# Allegro board ad-fmcmotcon1-ebz_layout.brd
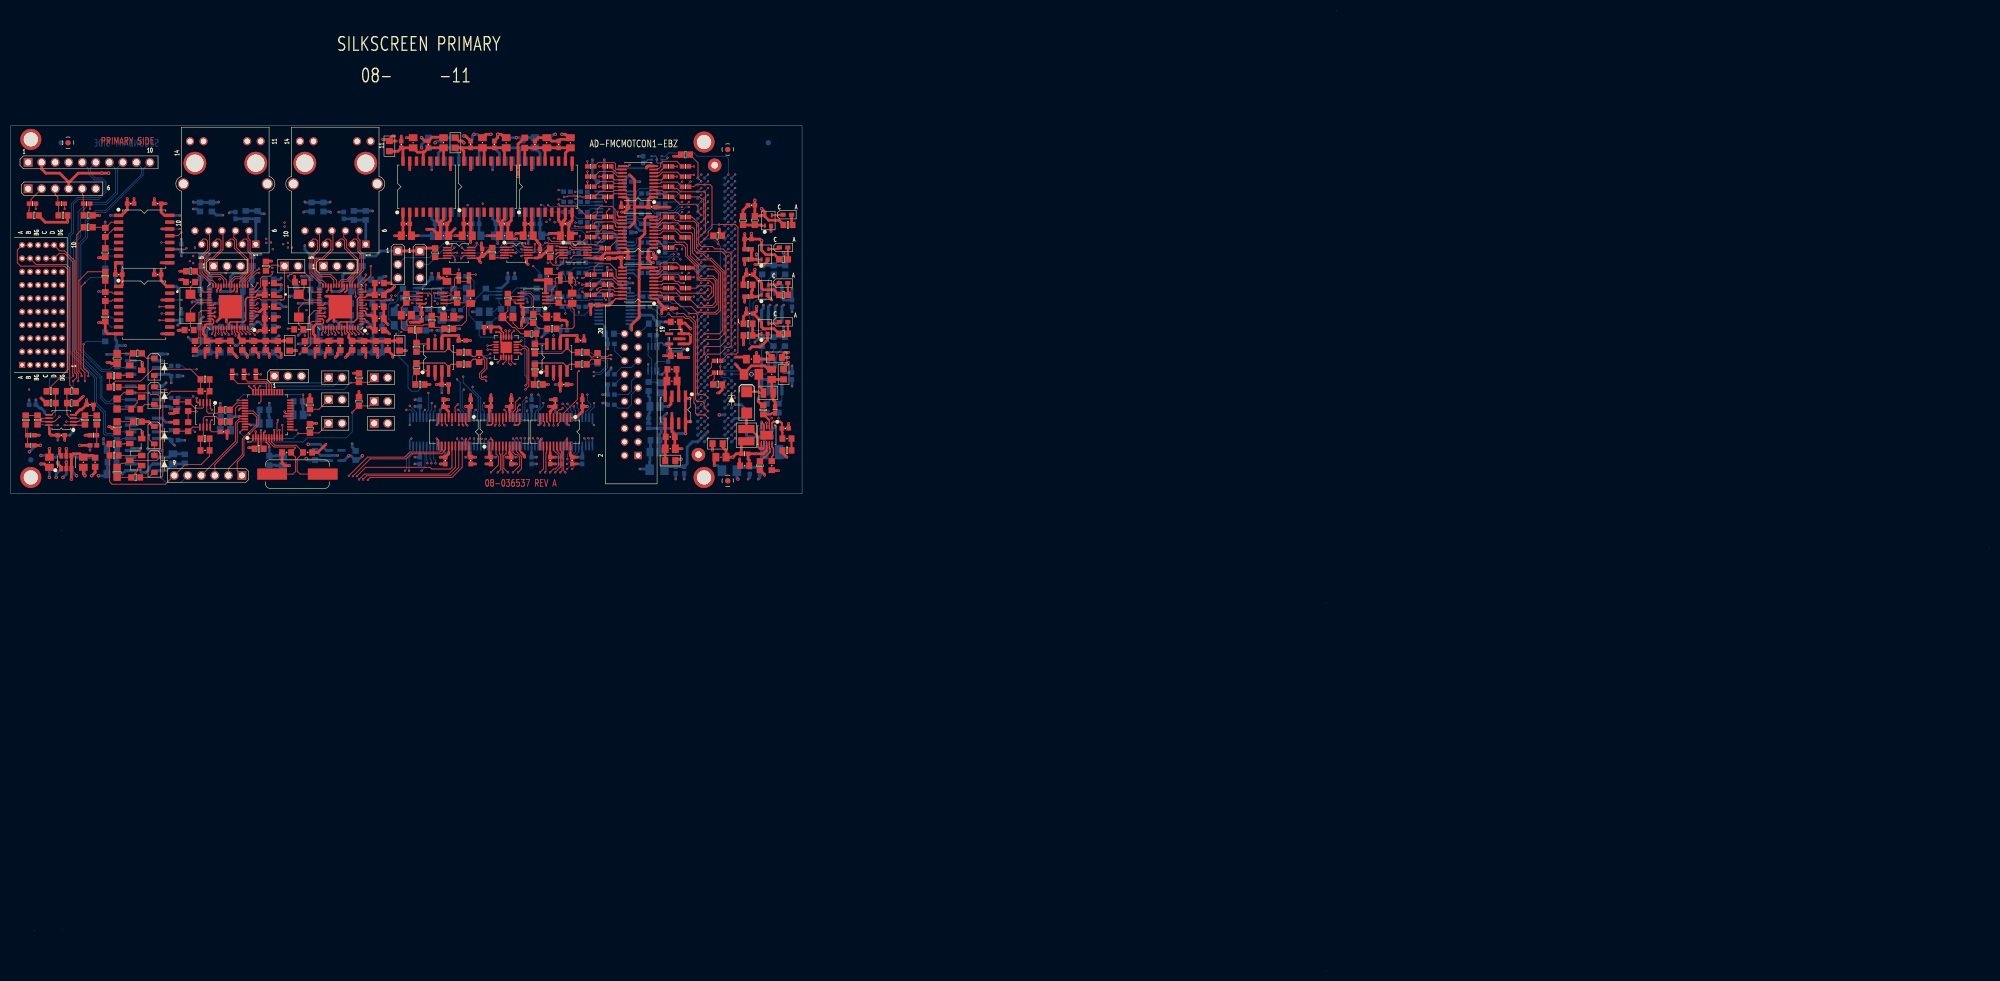
[diagram p0: board, top side]
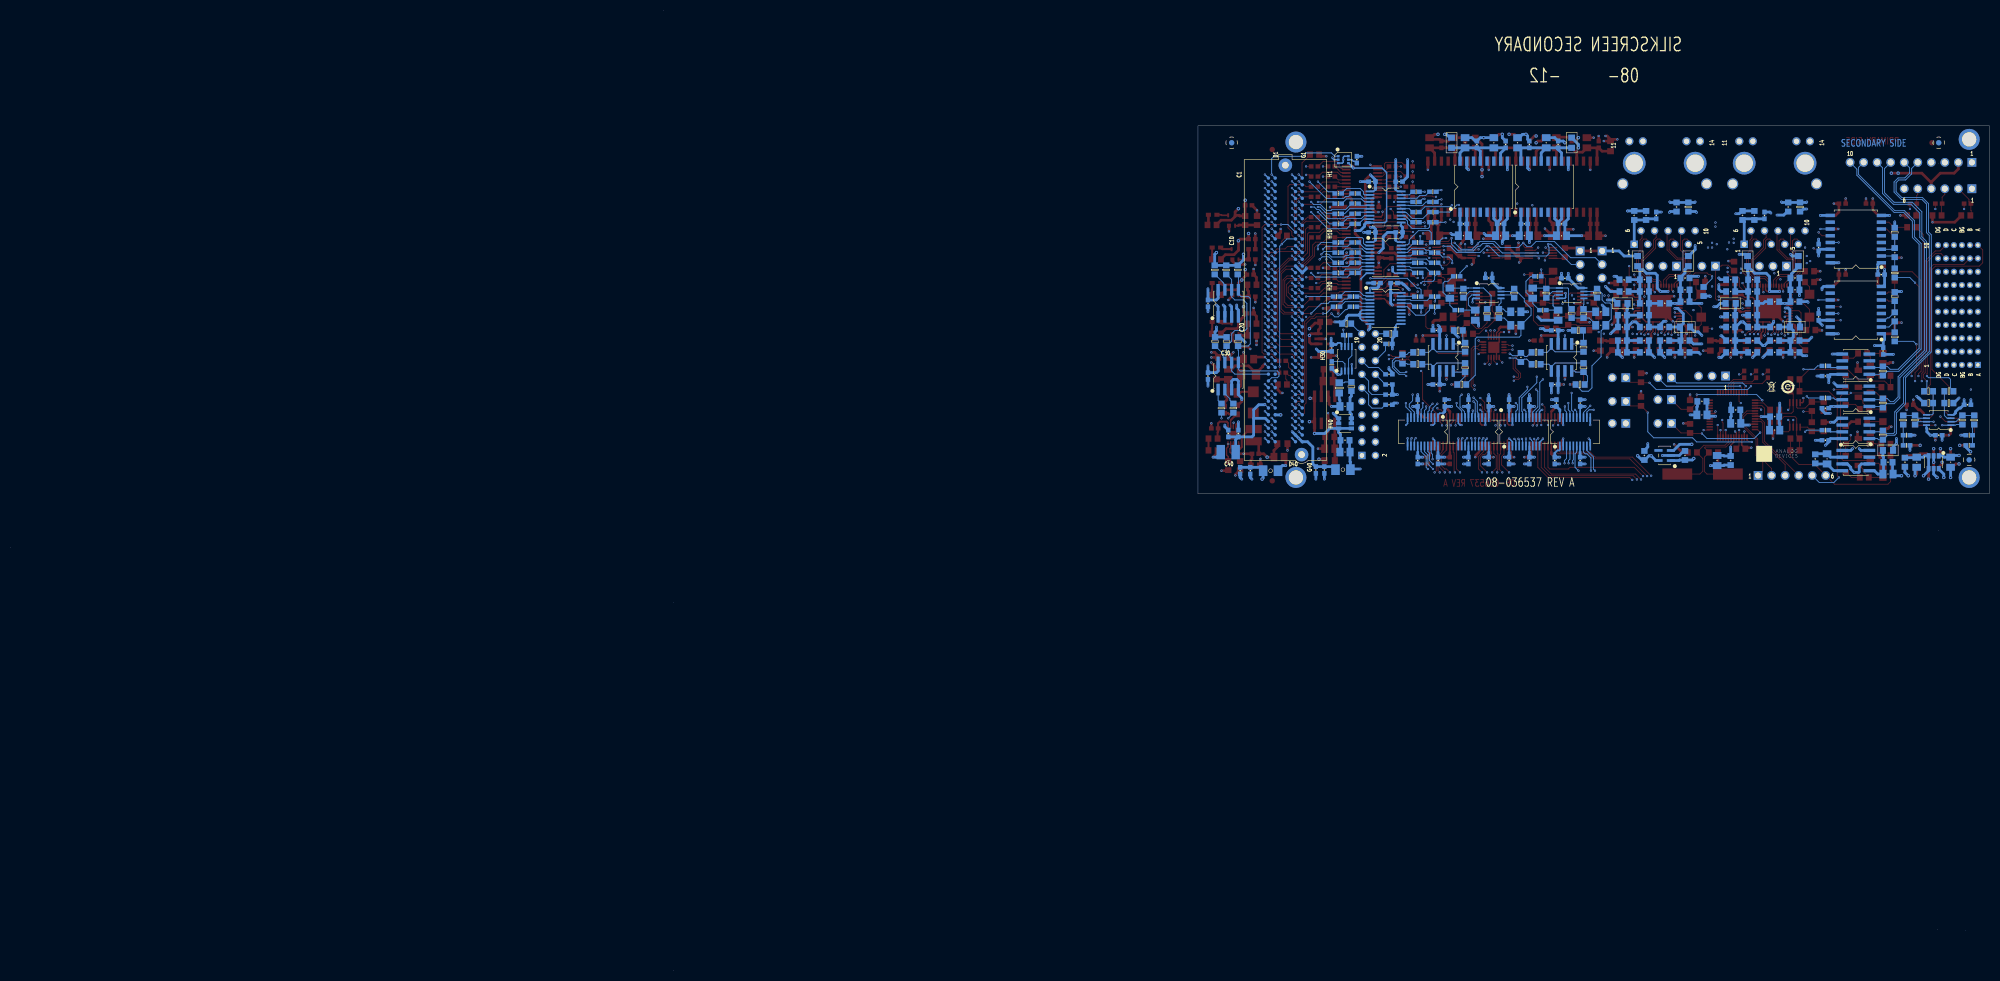
[diagram p1: board, bottom side, seen from below]

Outline 371.39 x 180.26 mm; copper layers: TOP, L2_AGND, L3_PWR, L4_SIGV, L5_SIGH, L6_PWR, L7_AGND, BOTTOM. Coordinates in mm from the lower left corner of the outline.
Outline path: 4.4,7.45 4.4,7.49 ; 9.48,154.35 9.48,154.31 ; 9.5,151.6 9.5,151.64 ; 9.5,82.6 9.5,82.55 ; 9.79,7.67 9.79,7.62 ; 246.99,69.05 246.99,69.09 ; 246.99,0.05 246.99,0 ; 248.89,180.26 248.89,180.21 ; 371.39,79.46 371.39,79.42 ; 0,158.62 0,89.53 148.54,89.53 148.54,158.62 0,158.62

## Placement (name value [footprint] x y rotation side)
A1  ADM1086AKSZ  [SC70-6]  121.26 152.27 270 bottom
A2  ADA4084-2ARMZ  [MSOP8]  9.5 103.38 90 top
A3  ADA4084-2ARMZ  [MSOP8]  9.5 103.38 90 bottom
A4  AD8662ARMZ  [MSOP8]  36.49 104.33 180 top
A5  ADCMP354YKSZ  [SC70_4]  142.21 140.84 0 top
A6  ADA4084-2ARMZ  [MSOP8]  120.62 114.87 180 bottom
A7  ADCMP354YKSZ  [SC70_4]  141.58 134.49 0 top
A8  ADCMP354YKSZ  [SC70_4]  141.58 127.83 0 top
A9  ADCMP354YKSZ  [SC70_4]  141.58 120.52 0 top
C1  0.1UF  [C0402]  120.31 143.38 0 top
C2  0.1UF  [C0402]  120.31 133.86 0 top
C3  0.1UF  [C0402]  115.86 138.62 0 bottom
C4  0.1UF  [C0402]  123.48 124.33 0 top
C5  0.1UF  [C0402]  115.23 143.38 180 top
C6  0.1UF  [C0402]  115.23 133.86 180 top
C7  0.1UF  [C0402]  110.78 138.62 180 bottom
C8  0.1UF  [C0402]  109.51 124.97 180 top
C9  0.1UF  [C0402]  97.76 106.55 90 bottom
C10  0.1UF  [C0402]  93.95 106.55 90 bottom
C11  0.1UF  [C0402]  86.33 106.55 90 top
C12  0.1UF  [C0402]  115.86 148.15 0 bottom
C13  0.1UF  [C0402]  93.95 106.55 90 top
C14  0.1UF  [C0402]  81.25 106.55 90 top
C15  0.1UF  [C0402]  81.57 95.76 270 top
C16  0.1UF  [C0402]  110.78 148.15 180 bottom
C17  0.1UF  [C0402]  90.14 106.55 90 top
C18  0.1UF  [C0402]  86.33 95.76 270 top
C19  0.1UF  [C0402]  97.76 95.76 270 bottom
C20  0.1UF  [C0402]  118.72 152.27 90 bottom
C21  0.1UF  [C0402]  93.95 95.76 270 bottom
C22  0.1UF  [C0402]  14.9 106.24 0 top
C23  0.1UF  [C0402]  9.5 100.52 180 top
C24  47000pF  [C0603]  17.75 138.62 270 top
C25  47000pF  [C0603]  17.75 126.56 270 top
C26  0.1UF  [C0402]  96.18 122.75 270 top
C27  0.1UF  [C0402]  77.13 122.75 270 top
C28  68pF  [C0805]  100.94 130.37 270 top
C29  68pF  [C0805]  81.89 130.37 270 top
C30  100PF  [C0805]  105.38 126.24 270 top
C31  100PF  [C0805]  86.33 126.24 270 top
C32  8.2pF  [C0805]  101.57 122.75 0 top
C33  8.2pF  [C0805]  82.21 122.75 0 top
C34  100PF  [C0805]  93.32 122.75 180 top
C35  100PF  [C0805]  74.27 123.06 180 top
C36  0.1UF  [C0402]  103.8 110.05 0 top
C37  0.1UF  [C0402]  106.97 118.3 0 top
C38  0.1UF  [C0402]  81.57 110.05 0 top
C39  0.1UF  [C0402]  84.75 118.3 0 top
C40  TBD0603  [C0603]  110.15 115.13 270 top
C41  TBD0603  [C0603]  87.92 115.13 270 top
C42  0.1UF  [C0402]  4.1 106.24 180 bottom
C43  0.1UF  [C0402]  89.51 120.84 0 top
C44  0.1UF  [C0402]  9.5 100.52 0 bottom
C45  47000pF  [C0603]  17.75 122.75 90 bottom
C46  47000pF  [C0603]  17.75 134.81 90 bottom
C47  0.1UF  [C0402]  93.95 130.05 0 bottom
C48  0.1UF  [C0402]  79.67 129.98 0 bottom
C49  68pF  [C0805]  96.49 123.06 270 bottom
C50  68pF  [C0805]  80.94 123.06 270 bottom
C51  100PF  [C0805]  101.26 127.19 90 bottom
C52  100PF  [C0805]  85.7 127.19 90 bottom
C53  8.2pF  [C0805]  88.87 123.7 180 bottom
C54  8.2pF  [C0805]  72.94 123.7 180 bottom
C55  100PF  [C0805]  88.87 121.16 180 bottom
C56  100PF  [C0805]  72.94 121.16 180 bottom
C57  0.1UF  [C0402]  103.8 120.21 0 bottom
C58  0.1UF  [C0402]  103.8 110.05 0 bottom
C59  0.1UF  [C0402]  81.57 120.21 0 bottom
C60  0.1UF  [C0402]  81.57 110.05 0 bottom
C61  TBD0603  [C0603]  110.15 114.81 90 bottom
C62  TBD0603  [C0603]  87.92 115.13 90 bottom
C63  0.1UF  [C0402]  111.61 133.73 180 top
C64  0.1UF  [C0402]  88.49 134.87 270 top
C65  0.1UF  [C0402]  30.77 99.57 180 bottom
C66  0.1UF  [C0402]  30.77 105.6 180 bottom
C67  0.1UF  [C0402]  30.77 111.63 180 bottom
C68  0.1UF  [C0402]  99.35 134.81 270 top
C69  20PF  [C0603]  55.73 97.28 0 top
C70  20PF  [C0603]  51.79 97.28 180 top
C71  0.01uF  [C0603]  53.95 106.87 0 bottom
C72  0.01uF  [C0603]  47.6 105.28 0 bottom
C73  4.7uF  [C0805]  53.95 104.33 0 bottom
C74  10UF  [C0805]  47.6 102.74 0 bottom
C75  4.7uF  [C0805]  40.3 101.47 180 bottom
C76  0.01uF  [C0603]  40.3 104.01 180 bottom
C77  4.7uF  [C0805]  51.09 95.76 270 bottom
C78  0.01uF  [C0603]  48.55 95.76 270 bottom
C79  120PF  [C0603]  36.49 108.78 180 top
C80  120PF  [C0603]  36.49 97.66 0 top
C81  0.1UF  [C0402]  39.98 101.16 180 top
C82  0.1UF  [C0402]  112.69 106.24 180 bottom
C83  0.1UF  [C0402]  112.69 108.14 180 bottom
C84  0.1UF  [C0402]  112.69 110.05 180 bottom
C85  0.1UF  [C0402]  112.69 111.95 180 bottom
C86  47uF  [C1210-2]  142.85 97.35 0 bottom
C87  0.1UF  [C0402]  140.94 100.84 90 bottom
C88  0.1UF  [C0402]  142.85 100.84 90 bottom
C89  47UF  [C1206]  134.91 93.85 180 bottom
C90  0.1UF  [C0402]  138.72 93.85 270 bottom
C91  0.1UF  [C0402]  146.66 111.63 90 bottom
C92  0.1UF  [C0402]  140.63 93.85 270 bottom
C93  47UF  [C1206]  121.32 94.04 180 bottom
C94  0.1UF  [C0402]  124.82 93.98 270 bottom
C95  0.1UF  [C0402]  126.4 93.98 270 bottom
C96  0.1uF  [C0603]  48.55 122.43 0 top
C97  2.2UF  [C0805]  139.04 114.81 180 top
C98  0.1uF  [C0603]  36.49 125.6 180 bottom
C99  0.1uF  [C0603]  44.42 116.08 180 bottom
C100  0.1uF  [C0603]  44.42 125.29 180 bottom
C101  0.1uF  [C0603]  36.49 116.08 180 bottom
C102  0.1uF  [C0603]  48.55 124.65 0 top
C103  0.1UF  [C0402]  102.21 106.55 90 top
C104  10UF  [C0603]  36.49 127.83 180 bottom
C105  0.1uF  [C0603]  44.42 118.3 180 bottom
C106  0.1uF  [C0603]  44.42 127.51 180 bottom
C107  0.1uF  [C0603]  36.49 118.3 180 bottom
C108  10UF  [C0603]  48.55 120.21 0 top
C109  0.1UF  [C0402]  107.29 106.55 90 top
C110  4.7uF  [C0603]  40.3 125.6 0 bottom
C111  0.1uF  [C0603]  44.42 120.84 180 bottom
C112  0.1uF  [C0603]  44.42 129.73 180 bottom
C113  0.1uF  [C0603]  40.3 116.08 0 bottom
C114  0.1uF  [C0603]  43.47 117.35 270 top
C115  10UF  [C0603]  36.8 117.35 270 top
C116  0.1UF  [C0402]  101.26 95.76 270 top
C117  1UF  [C0603]  36.49 130.05 180 bottom
C118  0.1uF  [C0603]  48.55 116.08 0 bottom
C119  10UF  [C0603]  48.55 127.51 0 bottom
C120  10UF  [C0603]  40.3 118.3 0 bottom
C121  0.1uF  [C0603]  45.69 117.35 270 top
C122  4.7uF  [C0603]  39.03 117.35 270 top
C123  10UF  [C0603]  48.55 118.3 0 bottom
C124  1UF  [C0603]  48.55 129.73 0 bottom
C125  1UF  [C0603]  40.3 120.84 0 bottom
C126  0.1uF  [C0603]  47.92 117.35 270 top
C127  1UF  [C0603]  41.25 117.35 270 top
C128  10UF  [C0603]  48.55 120.84 0 bottom
C129  10UF  [C0603]  50.14 117.35 270 top
C130  4.7uF  [C0603]  48.55 123.06 0 bottom
C131  4.7uF  [C0603]  48.55 126.87 0 top
C132  1UF  [C0603]  44.42 123.06 180 bottom
C133  1UF  [C0603]  48.55 129.1 0 top
C134  0.1uF  [C0603]  34.58 117.35 90 top
C135  27PF  [C0603]  33.76 129.29 180 top
C136  27PF  [C0603]  33.5 120.27 180 top
C137  0.1uF  [C0603]  46.33 141.8 90 bottom
C138  0.01uF  [C0603]  44.11 141.8 90 bottom
C139  1000pF  [C0402]  42.2 141.8 90 bottom
C140  0.1uF  [C0603]  37.76 143.38 270 bottom
C141  0.1uF  [C0603]  69.19 124.65 0 top
C142  0.1UF  [C0402]  105.38 95.76 270 top
C143  0.1uF  [C0603]  57.12 125.6 180 bottom
C144  0.1uF  [C0603]  64.74 116.08 180 bottom
C145  0.1uF  [C0603]  64.74 125.29 180 bottom
C146  0.1uF  [C0603]  57.12 116.08 180 bottom
C147  0.1uF  [C0603]  69.19 122.43 0 top
C148  0.1UF  [C0402]  81.25 106.55 90 bottom
C149  10UF  [C0603]  57.12 127.83 180 bottom
C150  0.1uF  [C0603]  64.74 120.84 180 bottom
C151  0.1uF  [C0603]  64.74 127.51 180 bottom
C152  0.1uF  [C0603]  57.12 118.3 180 bottom
C153  10UF  [C0603]  69.19 120.21 0 top
C154  0.1UF  [C0402]  76.81 106.55 90 bottom
C155  4.7uF  [C0603]  60.93 125.29 0 bottom
C156  0.1uF  [C0603]  64.74 118.3 180 bottom
C157  0.1uF  [C0603]  64.74 129.73 180 bottom
C158  0.1uF  [C0603]  60.93 116.08 0 bottom
C159  0.1uF  [C0603]  64.11 117.35 270 top
C160  10UF  [C0603]  57.44 117.35 270 top
C161  0.1UF  [C0402]  76.81 95.76 270 bottom
C162  1UF  [C0603]  57.12 130.05 180 bottom
C163  0.1uF  [C0603]  68.87 116.08 0 bottom
C164  10UF  [C0603]  68.55 127.51 0 bottom
C165  10UF  [C0603]  60.93 118.3 0 bottom
C166  0.1uF  [C0603]  66.33 117.35 270 top
C167  4.7uF  [C0603]  59.66 117.35 270 top
C168  10UF  [C0603]  68.87 118.3 0 bottom
C169  1UF  [C0603]  68.55 129.73 0 bottom
C170  1UF  [C0603]  60.93 120.84 0 bottom
C171  0.1uF  [C0603]  68.55 117.35 270 top
C172  1UF  [C0603]  61.89 117.35 270 top
C173  10UF  [C0603]  68.87 120.84 0 bottom
C174  10UF  [C0603]  70.78 117.35 270 top
C175  4.7uF  [C0603]  68.87 123.06 0 bottom
C176  4.7uF  [C0603]  69.19 126.87 0 top
C177  1UF  [C0603]  64.74 123.06 180 bottom
C178  1UF  [C0603]  69.19 129.1 0 top
C179  0.1uF  [C0603]  55.22 117.35 90 top
C180  27PF  [C0603]  54.2 129.29 180 top
C181  27PF  [C0603]  54.08 120.4 180 top
C182  0.1uF  [C0603]  66.65 141.8 90 bottom
C183  0.01uF  [C0603]  64.43 141.8 90 bottom
C184  1000pF  [C0402]  62.52 141.8 90 bottom
C185  0.1uF  [C0603]  58.71 143.38 270 bottom
C186  1UF  [C0603]  15.85 95.44 270 top
C187  1UF  [C0603]  15.85 95.44 270 bottom
C188  0.1UF  [C0402]  139.04 143.7 180 top
C189  0.1uF  [C0805]  7.28 95.44 270 top
C190  0.1uF  [C0805]  7.28 95.44 90 bottom
C191  0.1UF  [C0402]  123.42 116.9 90 bottom
C192  0.1UF  [C0402]  138.4 137.35 180 top
C193  0.1UF  [C0402]  146.66 125.29 90 bottom
C194  0.1UF  [C0402]  98.72 140.21 180 bottom
C195  10UF  [C0805]  98.72 137.99 180 bottom
C196  0.1UF  [C0402]  91.73 140.21 180 bottom
C197  0.1UF  [C0402]  138.72 130.68 180 top
C198  0.1UF  [C0402]  138.72 123.38 180 top
C199  0.01uF  [C0603]  142.85 94.81 270 top
C200  0.1UF  [C0402]  92.68 140.21 0 top
C201  0.1UF  [C0402]  104.11 140.21 0 top
C202  0.01uF  [C0603]  145.71 99.89 0 top
C203  10UF  [C0805]  92.68 137.99 0 top
C204  2.2UF  [C0805]  133.32 96.39 180 top
C205  10UF  [C0805]  104.11 137.99 0 top
C206  10pF  [C0402]  145.39 101.79 0 top
C207  0.1UF  [C0402]  85.7 140.21 0 top
C208  0.1UF  [C0402]  97.13 140.21 0 top
C209  10UF  [C0805]  85.7 137.99 0 top
C210  10UF  [C0805]  97.13 137.99 0 top
C211  0.1UF  [C0402]  98.4 155.13 90 top
C212  0.1UF  [C0402]  86.33 155.13 90 top
C213  1UF  [C0603]  137.77 94.81 180 top
C214  10UF  [C0805]  100.62 155.45 90 top
C215  10UF  [C0805]  88.56 155.45 90 top
C216  0.1UF  [C0402]  102.84 155.13 90 top
C217  0.1UF  [C0402]  90.78 155.13 90 top
C218  10UF  [C0805]  105.07 155.45 90 top
C219  10UF  [C0805]  93 155.45 90 top
C220  0.47uF  [C1206]  139.04 111.95 180 top
C221  10UF  [C0805]  142.85 111.95 90 top
C222  TBD0603  [C0603]  32.68 96.08 270 bottom
C223  2.2UF  [C0805]  30.45 96.08 270 bottom
C224  1UF  [C0603]  124.75 121.79 180 top
C225  1UF  [C0603]  124.75 115.44 0 top
C226  2.2UF  [C0805]  19.02 93.22 180 bottom
C227  TBD0603  [C0603]  19.02 95.44 180 bottom
C228  TBD0603  [C0603]  124.12 112.9 180 top
C229  0.1UF  [C0402]  74.27 140.21 0 top
C230  2.2UF  [C0805]  124.12 110.68 180 top
C231  10UF  [C0805]  74.27 137.99 0 top
C232  0.1UF  [C0402]  81.25 140.21 0 top
C233  10UF  [C0805]  81.25 137.99 0 top
C234  0.1UF  [C0402]  73.32 155.13 90 top
C235  10UF  [C0805]  81.25 155.45 90 top
C236  0.1UF  [C0402]  78.4 155.13 90 top
C237  2.2UF  [C0805]  123.8 97.98 0 top
C238  10UF  [C0805]  75.54 155.45 90 top
C239  TBD0603  [C0603]  123.8 100.2 0 top
C240  0.1UF  [C0402]  22.52 144.02 0 top
C241  0.1UF  [C0402]  20.29 130.68 180 top
C242  0.1UF  [C0402]  27.6 144.02 0 top
C243  0.1UF  [C0402]  27.6 130.68 0 top
C244  0.1UF  [C0402]  19.91 116.33 270 bottom
C245  0.1UF  [C0402]  20.29 130.68 180 bottom
C246  0.1UF  [C0402]  32.04 122.75 90 bottom
C247  0.1UF  [C0402]  32.04 135.76 90 bottom
C248  0.1UF  [C0402]  81.57 95.76 270 bottom
C249  0.1UF  [C0402]  90.14 106.55 90 bottom
C250  0.1UF  [C0402]  86.33 106.55 90 bottom
C251  0.1UF  [C0402]  86.33 95.76 270 bottom
C252  0.1UF  [C0402]  90.14 95.76 270 bottom
C253  1UF  [C0603]  57.12 96.71 90 bottom
C254  1UF  [C0603]  64.74 96.71 90 bottom
C255  0.1UF  [C0402]  87.29 140.21 180 bottom
C256  10UF  [C0805]  87.29 137.99 180 bottom
C257  0.1UF  [C0402]  80.3 140.21 180 bottom
C258  10UF  [C0805]  80.3 137.99 180 bottom
C259  0.1UF  [C0402]  86.33 155.13 90 bottom
C260  10UF  [C0805]  88.56 155.45 90 bottom
C261  0.1UF  [C0402]  80.94 155.13 90 bottom
C262  10UF  [C0805]  83.16 155.45 90 bottom
C263  10UF  [C0805]  91.73 137.99 180 bottom
C264  0.1UF  [C0402]  96.18 155.13 90 bottom
C265  10UF  [C0805]  98.4 155.45 90 bottom
C266  0.1UF  [C0402]  90.78 155.13 90 bottom
C267  10UF  [C0805]  93 155.45 90 bottom
C268  0.1uF  [C0805]  13.63 95.44 270 top
C269  0.1uF  [C0805]  13.63 95.44 270 bottom
C270  0.1UF  [C0402]  93.95 95.76 270 top
C271  0.1UF  [C0402]  90.14 95.76 270 top
C272  0.1UF  [C0402]  102.21 106.55 90 bottom
C273  0.1UF  [C0402]  107.29 106.55 90 bottom
C274  0.1UF  [C0402]  103.48 95.76 270 bottom
C275  0.1UF  [C0402]  107.29 95.76 270 bottom
C276  0.1UF  [C0402]  114.91 129.1 0 bottom
C277  0.1UF  [C0402]  111.73 129.1 180 bottom
C501  1UF  [C0603]  120.94 99.57 180 bottom
C502  0.1uF  [C0805]  120.94 97.35 180 bottom
C503  0.1uF  [C0805]  120.94 105.92 0 bottom
D1  1N4148W-7-F  [SOD123-2]  26.96 107.95 270 top
D2  1N4148W-7-F  [SOD123-2]  26.96 113.35 270 top
D3  1N4148W-7-F  [SOD123-2]  26.96 95.12 270 top
D4  1N4148W-7-F  [SOD123-2]  26.96 100.52 270 top
D5  B240A-E3/61T  [SMA]  138.15 106.68 270 top
DS1  SML-310MTT86  [LED0603]  145.77 141.92 0 top
DS2  SML-310MTT86  [LED0603]  145.07 135.76 0 top
DS3  SML-310MTT86  [LED0603]  145.07 129.1 0 top
DS7  SML-310MTT86  [LED0603]  145.07 121.79 0 top
E1  330NH  [L0805]  52.36 117.35 90 top
E2  330NH  [L0805]  36.49 120.84 0 bottom
E3  330NH  [L0805]  45.38 133.22 270 bottom
E4  330NH  [L0805]  73 117.35 90 top
E5  330NH  [L0805]  57.12 120.84 0 bottom
E6  330NH  [L0805]  66.01 133.22 270 bottom
E7  330NH  [L0805]  100.94 155.45 90 bottom
E8  330NH  [L0805]  96.49 155.45 90 top
E9  330NH  [L0805]  132.69 98.93 180 top
E10  330NH  [L0805]  145.07 111.95 90 top
E11  330NH  [L0805]  19.02 97.66 180 bottom
E12  330NH  [L0805]  123.8 95.76 0 top
E13  330NH  [L0805]  35.85 133.22 90 bottom
E14  330NH  [L0805]  48.55 125.29 0 bottom
E15  330NH  [L0805]  56.49 133.22 90 bottom
E16  330NH  [L0805]  68.87 125.29 0 bottom
E17  330NH  [L0805]  143.8 115.13 180 top
E18  330NH  [L0805]  83.48 155.45 90 top
E19  330NH  [L0805]  78.4 155.45 90 bottom
E20  330NH  [L0805]  71.09 154.81 90 top
L1  1.5uH  [LSML126W110H95]  138.09 100.52 90 top
L2  110nH  [L9075]  142.21 108.46 0 top
NOREF  -  []  0 158.62 0 top
NOREF#2  -  []  -0.15 89.41 0 top
NOREF#3  -  []  75.27 167.68 0 top
NOREF#4  -  []  41.76 97.03 0 top
NOREF#5  -  [unnamed#2]  10.77 155.45 0 top
NOREF#6  -  [unnamed#2]  134.59 91.95 0 top
NOREF#7  -  []  248.44 57.66 0 top
NOREF#8  -  [unnamed#3]  3.78 156.08 0 top
NOREF#9  -  [unnamed#3]  130.15 155.58 0 top
NOREF#10  -  []  -140.56 -174.75 0 top
NOREF#11  -  []  168.88 159.26 180 top
NOREF#12  -  [unnamed#2]  134.59 154.18 0 top
NOREF#13  -  []  292.13 312.55 0 top
NOREF#14  -  []  -0.15 158.75 270 top
NOREF#15  -  []  148.54 89.53 90 top
NOREF#16  -  []  -140.69 -171.58 0 top
NOREF#17  -  []  168.88 89.41 90 top
NOREF#18  -  [unnamed#3]  3.78 92.58 270 top
NOREF#19  -  [unnamed#3]  130.15 92.58 0 top
NOREF#20  -  []  478.13 65.28 0 top
NOREF#21  -  [unnamed#2]  142.21 155.45 180 bottom
NOREF#22  -  []  40.87 109.6 180 bottom
NOREF#23  -  []  37.82 109.6 180 bottom
NOREF#24  -  [unnamed#2]  9.5 155.45 180 bottom
NOREF#25  -  [unnamed#2]  3.78 95.89 180 bottom
P1  ASP-134604-01  [CNSAMTECASP-134604-01]  132.13 124.05 270 bottom
P2  6469028-1  [CNTYCO1469028-1]  2.15 113.72 90 top
P3  TSW-102-08-G-S  [CNSAMTEC1X2H330LD36]  59.66 107.19 0 top
P4  TSW-102-08-G-S  [CNSAMTEC1X2H330LD36]  59.66 102.74 0 top
P5  TSW-102-08-G-S  [CNSAMTEC1X2H330LD36]  68.24 111.32 0 top
P6  TSW-102-08-G-S  [CNSAMTEC1X2H330LD36]  68.24 106.87 0 top
P7  SAMTECTSW10608GS6PIN  [CNBERG1X6H205LD36]  3.28 146.81 0 top
P8  TSW-110-08-G-S  [CNSAMTEC-SSW11001GS]  3.28 151.76 0 top
P9  SAMTECTSW10608GS3PIN  [CNBERG1X3H205LD36]  76.81 135.13 270 top
P10  5103308-5  [CNHDR2X10H393]  117.77 96.71 90 top
P11  SAMTECTSW10608GS3PIN  [CNBERG1X3H205LD36]  38.07 132.27 0 top
P12  SAMTECTSW10608GS3PIN  [CNBERG1X3H205LD36]  58.71 132.27 0 top
P13  V890-1AX1-A1  [CNBEL-V890-1AX1-A1]  46.01 136.37 90 top
P14  TSW-102-08-G-S  [CNSAMTEC1X2H330LD36]  51.41 132.27 0 top
P15  V890-1AX1-A1  [CNBEL-V890-1AX1-A1]  66.65 136.37 90 top
P16  SAMTECTSW10608GS6PIN  [CNBERG1X6H205LD36]  43.41 92.96 180 top
P17  TSW-102-08-G-S  [CNSAMTEC1X2H330LD36]  59.66 111.32 0 top
P18  SAMTECTSW10608GS3PIN  [CNBERG1X3H205LD36]  49.5 111.63 0 top
P19  TSW-102-08-G-S  [CNSAMTEC1X2H330LD36]  68.24 102.74 0 top
P20  SAMTECTSW10608GS3PIN  [CNBERG1X3H205LD36]  72.68 135.13 270 top
Q1  BC846BMTF  [SOT23]  23.47 108.58 90 top
Q2  BC846BMTF  [SOT23]  23.47 112.71 270 top
Q3  BC846BMTF  [SOT23]  23.47 95.76 90 top
Q4  BC846BMTF  [SOT23]  23.47 99.89 270 top
R1  33  [R0402]  123.48 145.29 180 top
R2  33  [R0402]  123.48 147.19 180 top
R3  33  [R0402]  123.48 149.1 180 top
R4  33  [R0402]  123.48 151 180 top
R5  33  [R0402]  123.48 137.67 180 top
R6  33  [R0402]  123.48 139.57 180 top
R7  33  [R0402]  123.48 141.48 180 top
R8  33  [R0402]  122.21 136.72 180 bottom
R9  33  [R0402]  122.21 134.81 180 bottom
R10  33  [R0402]  122.21 132.91 180 bottom
R11  33  [R0402]  122.21 131 180 bottom
R12  4.7K  [R0603]  143.23 131.57 270 bottom
R13  4.7K  [R0603]  145.39 131.57 270 bottom
R14  33  [R0402]  126.66 145.29 180 top
R15  33  [R0402]  126.66 147.19 180 top
R16  33  [R0402]  126.66 149.1 180 top
R17  33  [R0402]  126.66 151 180 top
R18  33  [R0402]  123.48 135.76 180 top
R19  33  [R0402]  126.59 137.67 180 top
R20  33  [R0402]  126.66 139.57 180 top
R21  33  [R0402]  126.66 141.48 180 top
R22  33  [R0402]  119.04 136.72 180 bottom
R23  33  [R0402]  119.04 134.81 180 bottom
R24  33  [R0402]  119.04 132.91 180 bottom
R25  33  [R0402]  119.04 131 180 bottom
R26  4.7K  [R0603]  141.07 131.57 270 bottom
R27  33  [R0402]  108.88 145.29 0 top
R28  33  [R0402]  108.88 147.19 0 top
R29  33  [R0402]  108.88 149.1 0 top
R30  33  [R0402]  108.88 151 0 top
R31  33  [R0402]  111.61 135.64 0 top
R32  33  [R0402]  108.88 137.73 0 top
R33  33  [R0402]  108.88 139.64 0 top
R34  33  [R0402]  108.88 141.54 0 top
R35  33  [R0402]  107.29 136.72 0 bottom
R36  33  [R0402]  107.29 134.81 0 bottom
R37  33  [R0402]  107.29 132.91 0 bottom
R38  33  [R0402]  107.29 131 0 bottom
R39  33  [R0402]  122.21 140.21 180 bottom
R40  33  [R0402]  112.05 145.29 0 top
R41  33  [R0402]  112.05 147.19 0 top
R42  33  [R0402]  112.05 149.1 0 top
R43  33  [R0402]  112.05 151 0 top
R44  33  [R0402]  112.05 137.73 0 top
R45  33  [R0402]  112.05 139.64 0 top
R46  33  [R0402]  112.05 141.54 0 top
R47  33  [R0402]  104.11 136.72 0 bottom
R48  33  [R0402]  104.11 134.81 0 bottom
R49  33  [R0402]  104.11 132.91 0 bottom
R50  33  [R0402]  104.11 131 0 bottom
R51  33  [R0402]  122.21 142.11 180 bottom
R52  33  [R0402]  122.53 126.56 180 bottom
R53  33  [R0402]  123.48 126.24 180 top
R54  33  [R0402]  123.48 128.14 180 top
R55  33  [R0402]  123.48 130.05 180 top
R56  33  [R0402]  123.48 131.95 180 top
R57  33  [R0402]  126.66 126.24 180 top
R58  33  [R0402]  126.66 128.14 180 top
R59  33  [R0402]  126.66 130.05 180 top
R60  33  [R0402]  126.66 131.95 180 top
R61  33  [R0402]  108.88 126.87 0 top
R62  33  [R0402]  108.88 128.78 0 top
R63  33  [R0402]  108.88 130.68 0 top
R64  33  [R0402]  122.53 124.65 180 bottom
R65  33  [R0402]  112.05 126.87 0 top
R66  33  [R0402]  112.05 128.78 0 top
R67  33  [R0402]  112.05 130.68 0 top
R68  33  [R0402]  119.04 142.11 180 bottom
R69  4.7K  [R0603]  16.17 103.38 90 top
R70  4.7K  [R0603]  11.4 108.78 180 top
R71  4.7K  [R0603]  2.83 103.38 90 top
R72  4.7K  [R0603]  7.59 108.78 0 top
R73  470  [R0603]  11.4 106.55 0 top
R74  470  [R0603]  7.59 106.55 180 top
R75  470  [R0603]  13.94 103.38 270 top
R76  470  [R0603]  5.05 103.38 270 top
R77  22  [R0603]  14.58 139.57 0 top
R78  22  [R0603]  17.75 134.81 90 top
R79  22  [R0603]  17.75 130.37 270 top
R80  22  [R0603]  17.75 122.75 90 top
R81  24K  [R0402]  105.07 130.05 270 top
R82  24K  [R0402]  86.02 130.05 270 top
R83  24K  [R0402]  103.16 130.05 90 top
R84  24K  [R0402]  84.11 130.05 90 top
R85  22  [R0603]  102.84 126.24 90 top
R86  22  [R0603]  93.32 126.24 90 top
R87  22  [R0603]  83.79 126.24 90 top
R88  22  [R0603]  74.27 126.24 90 top
R89  51K  [R0603]  101.57 120.52 180 top
R90  51K  [R0603]  82.21 120.52 180 top
R91  51K  [R0603]  98.08 122.43 90 top
R92  51K  [R0603]  79.03 122.11 90 top
R93  1K  [R0603]  97.76 119.57 0 top
R94  1K  [R0603]  99.03 110.05 180 top
R95  1K  [R0603]  75.92 120.27 0 top
R96  1K  [R0603]  76.81 110.05 180 top
R97  301  [R0603]  98.4 116.71 270 top
R98  301  [R0603]  76.17 117.03 270 top
R99  301  [R0603]  98.4 112.9 90 top
R100  301  [R0603]  76.17 113.22 90 top
R101  22  [R0603]  107.29 116.08 0 top
R102  22  [R0603]  107.29 113.86 0 top
R103  22  [R0603]  85.06 116.08 0 top
R104  22  [R0603]  85.06 113.86 0 top
R105  4.7K  [R0603]  2.83 103.38 90 bottom